# Altium PCB Robo_Seguidor_de_Linha.PcbDoc
Units mm, origin at the board's own origin, x right, y up, seen from the top; angles counter-clockwise.
Board outline 151.25 x 99.7 mm, 2 copper layers (Top Layer, Bottom Layer); 9 components, 18 nets, 76 pads, 0 vias.
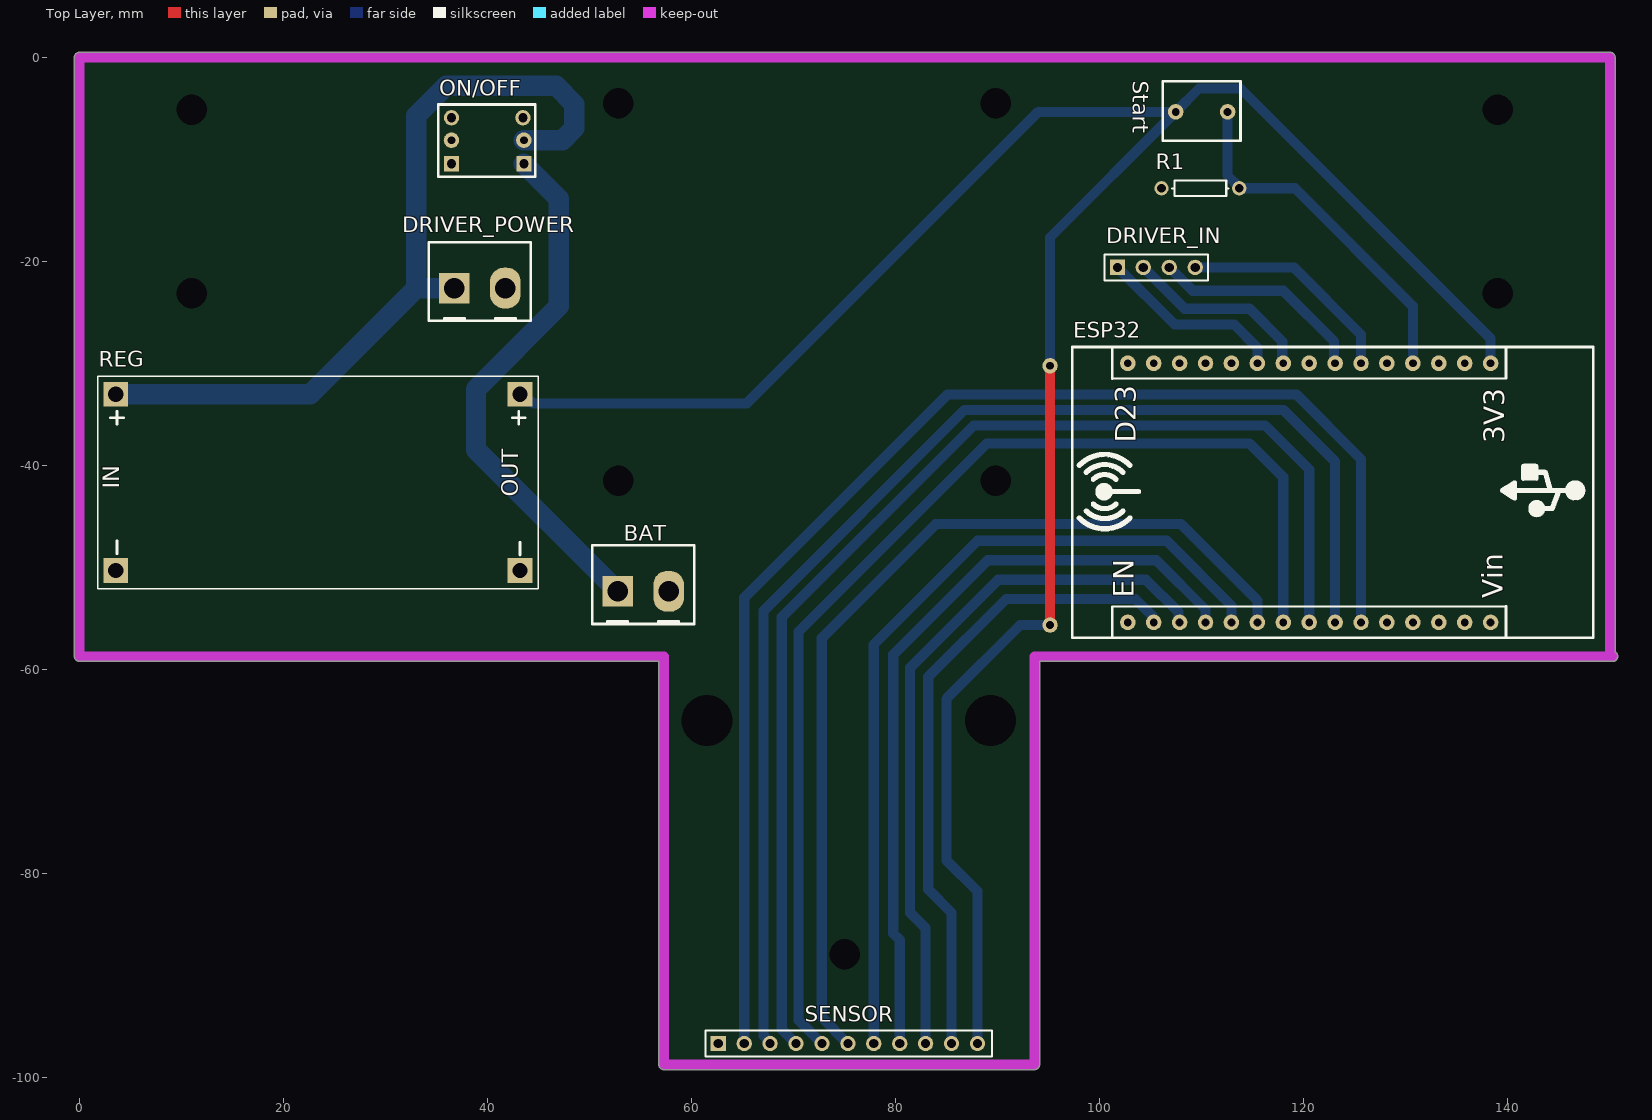
[diagram p0: Top Layer view]
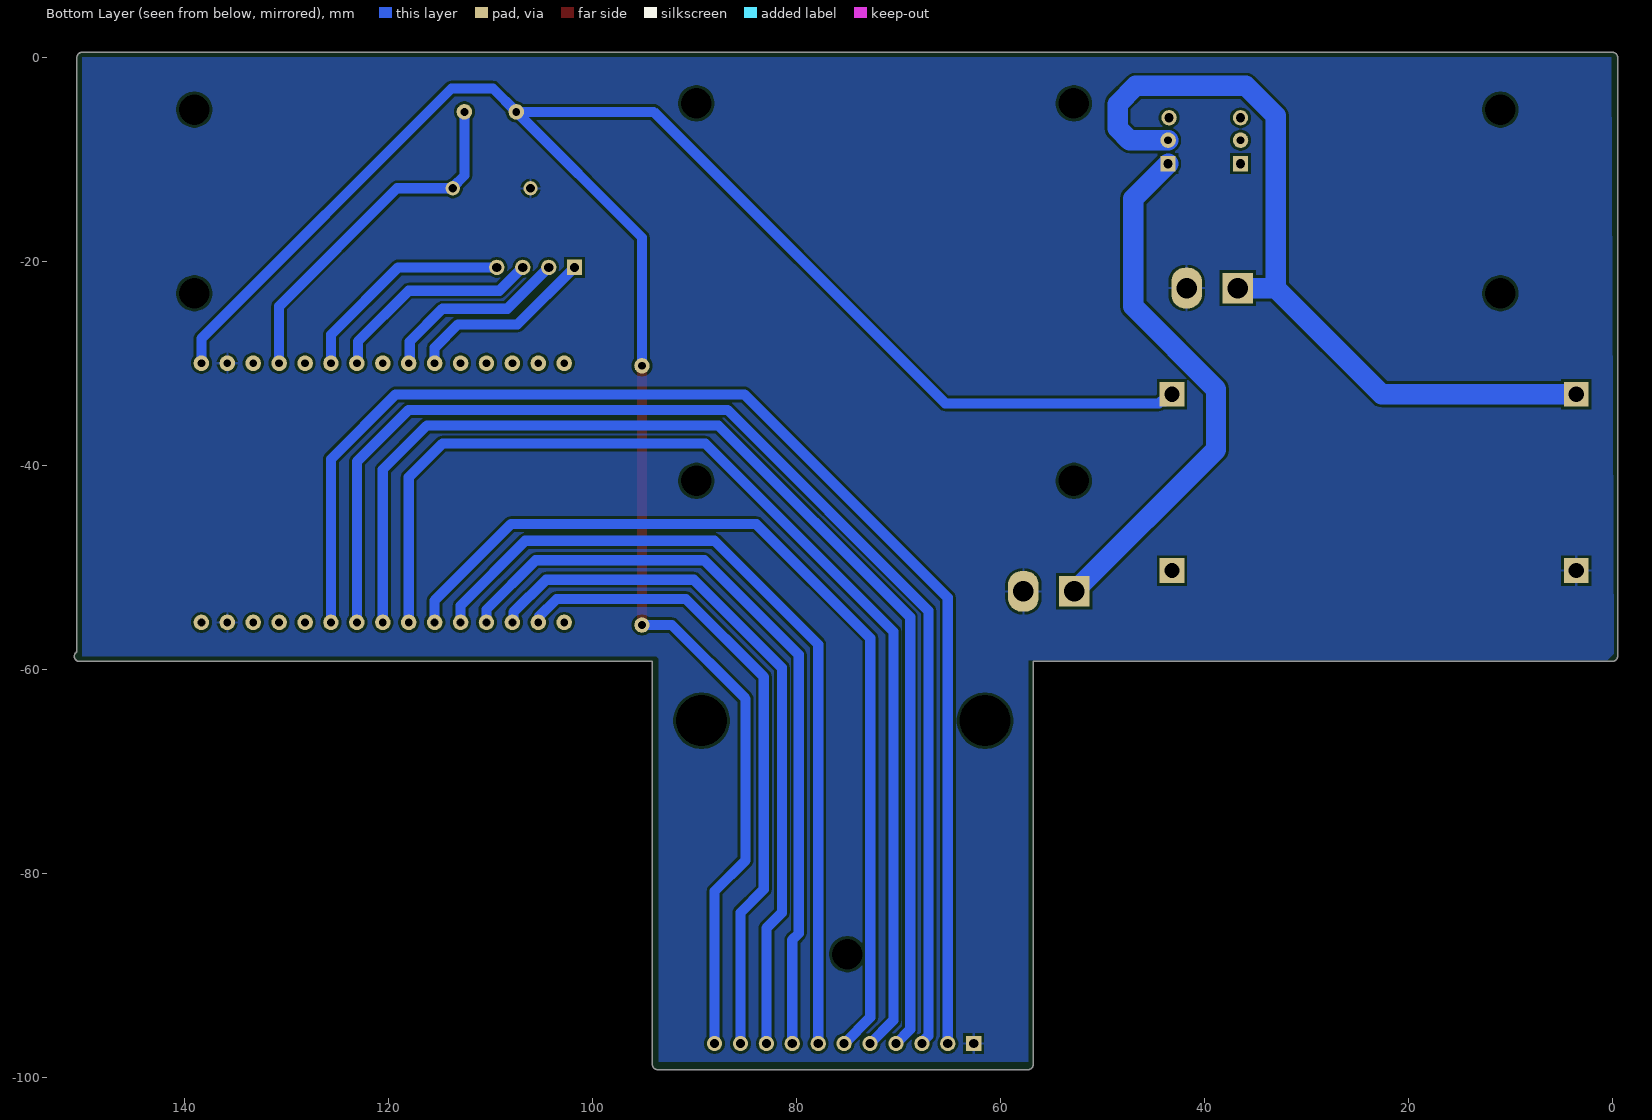
[diagram p1: Bottom Layer view, seen from below]

## Layer stack, top to bottom
Top Solder: solder mask 0.0102, Solder Resist, Dk 3.5
Top Layer: signal copper 0.0356
Dielectric 1: dielectric 0.32, FR-4, Dk 4.8
Bottom Layer: signal copper 0.0356
Bottom Solder: solder mask 0.0102, Solder Resist, Dk 3.5

## Board outline
56.777,-98.697 56.777,-59.197 0.254,-59.197 cw(c0.254,-58.697) 0.083,-59.167 cw(c0,-58.674) -0.5,-58.674 -0.5,0 cw(c0,0) 0,0.5 150,0.5 cw(c150,0) 150.5,0 150.5,-58.261 cw(c150.254,-58.697) 150.754,-58.697 cw(c150.254,-58.697) 150.254,-59.197 94.099,-59.197 94.099,-98.697 cw(c93.599,-98.697) 93.599,-99.197 57.277,-99.197 cw(c57.277,-98.697)

## Design rules (kind name [scope] priority, off if disabled: settings)
Clearance [All] p1: gap=0.254 ignorepadtopadclearanceinfootprint=FALSE except(0: Arc-Hole Track-Hole SMDPad-Hole THPad-Hole Via-Hole Fill-Hole Poly-Hole Region-Hole Text-Hole)
ComponentClearance [All] p1: gap=0 collisioncheckmode=3 verticalgap=0 showdistances=TRUE
PolygonConnect [All] p1: connectstyle=Relief reliefconductorwidth=0.254 reliefentries=4 polygonreliefangle="90 Angle" airgapwidth=0.254
RoutingVias [All] p1: holewidth=0.711 width=1.27 viastyle="Through Hole" minholewidth=0.711 minwidth=1.27 maxholewidth=0.711 maxwidth=1.27
SolderMaskExpansion [All] p1: expansion=0.102 istentingtop=FALSE
Width [All] p1: maxlimit=2 minlimit=1 preferedwidth=1 minimp=50.000000 maximp=50.000000 favimp=50.000000
29 further rules are at their usual default settings.

## Components (designator, comment, footprint, x,y, rotation, side; value= is the part's Value field where it differs from the comment)
BAT "KK2" BORNE 55.245,-52.324 r0 top
DRIVER_IN "Header 4" "Header1x4 - Female" 101.727,-20.574 r0 top
DRIVER_POWER "KK2" BORNE 39.243,-22.606 r0 top (schematic designator DRIVER_Power)
ESP32 "ESP32-DEVKIT V1" "ESP32-DEVKIT V1 with HeaderConnector" 102.743,-55.372 r90 top
ON/OFF "KK2" "Chave tátil - 6" 43.561,-10.414 r90 top
R1 "Resistor THT" "RESISTOR THT 5mm" 109.855,-12.827 r0 top value=10k
REG "LM2596 module" "LM2596 module" 3.556,-33.02 r0 top
SENSOR "Header 11" Header1x9 62.611,-96.647 r0 top
Start "Chave tátil - 2" "Chave tátil - 2" 107.442,-5.334 r0 top

## Footprints (in the part's own frame and the unit in brackets; to place one, negate y for a bottom-side part, rotate by r counter-clockwise, add the part's x,y. Pads: shape width x height; smd on the part's side, far side on the other; paste and mask are expansions set on the pad)
BORNE [mm] "2 pinos"
  rect 3x3 hole 2: 1(-2.5,0)
  rrect90% 3x4 hole 2: 2(2.5,0)
  silkscreen extent -5,-3.2 5,4.5, body extent -5,-3.2 5,4.5, height 10
"Chave tátil - 2" [mil] "2 pins"
  round 60 hole 30: 1(0,0) 2(200,0)
  silkscreen extent -50,-112 250,118, body extent -24,-122 220,122, height 232
"Chave tátil - 6" [mm] "6 pins"
  rect 1.5x1.5 hole 0.9: 1(0,0) 4(0,7.1)
  round 1.524 hole 0.762: 2(2.3,0) 5(2.3,7.1)
  round 1.5 hole 0.9: 3(4.5,0.1) 6(4.5,7.1)
  silkscreen extent -1.27,-1.1 5.8,8.4, body extent -1.7,-0.4 6.3,7.6, height 13.6
"ESP32-DEVKIT V1 with HeaderConnector" [mil] "Módulo ESP32 com 30 pinos e componente 3D com suporte de headers"
  round 60 hole 30: 1(0,0) 2(0,-100) 3(0,-200) 4(0,-300) 5(0,-400) 6(0,-500) 7(0,-600) 8(0,-700) 9(0,-800) 10(0,-900) 11(0,-1000) 12(0,-1100) 13(0,-1200) 14(0,-1300) 15(0,-1400) 16(1000,-1400) 17(1000,-1300) 18(1000,-1200) 19(1000,-1100) 20(1000,-1000) 21(1000,-900) 22(1000,-800) 23(1000,-700) 24(1000,-600) 25(1000,-500) 26(1000,-400) 27(1000,-300) 28(1000,-200) 29(1000,-100) 30(1000,0)
  silkscreen extent -59,-1795 1063,215, body extent -60,-1790 1062,215, height 604
"Header1x4 - Female" [mm] "Connector; Header; 4 Position; Female"
  rect 1.5x1.5 hole 0.9: 1(0,0)
  round 1.5 hole 0.9: 2(2.54,0) 3(5.08,0) 4(7.62,0)
  silkscreen extent -1.27,-1.27 8.89,1.27, body extent -1.26,-1.2 8.9,1.3, height 8.4
Header1x9 [mm] "Connector; Header; 9 Position"
  rect 1.5x1.5 hole 0.9: 1(0,0)
  round 1.5 hole 0.9: 2(2.54,0) 3(5.08,0) 4(7.62,0) 5(10.16,0) 6(12.7,0) 7(15.24,0) 8(17.78,0) 9(20.32,0) 10(22.86,0) 11(25.4,0)
  silkscreen extent -1.27,-1.27 26.82,1.27, body extent -1.23,-1.25 26.63,1.25, height 9.49
"LM2596 module" [mil]
  rect 95.3x95.3 / inner rect 60x60 / far side rect 95.3x95.3 hole 59.06: 1(0,0) 2(0,-680) 3(1560,0) 4(1560,-680)
  silkscreen extent -70,-750 1630,70, body extent -76,-751 1636,76, height 607
"RESISTOR THT 5mm" [mm]
  round 1.4 hole 0.85: 1(-3.81,0) 2(3.81,0)
  silkscreen extent -2.77,-0.76 2.77,0.76, body extent -4.07,-1 4.07,1.1, height 2.55

## Part data
BAT DRIVER_POWER ON/OFF: "KK Connector, 2 ways"
DRIVER_IN: "Header, 4-Pin", LatestRevisionDate=17-Jul-2002, LatestRevisionNote="Re-released for DXP Platform.", Publisher="Altium Limited"
ESP32: "Placa ESP32 com 30 pinos - Modelo DEVKIT V1"
REG: "Step-down regulável"
SENSOR: "Header, 11-Pin", LatestRevisionDate=17-Jul-2002, LatestRevisionNote="Re-released for DXP Platform.", Publisher="Altium Limited"
Start: "Chave tátil/pushbutton/momentary switch"

## Free pads (board coordinates)
  round 1.524 hole 3: 1(11,-23.114) 1(11,-5.114) 1(52.8,-41.5) 1(52.8,-4.5) 1(75,-87.884) 1(89.8,-41.5) 1(89.8,-4.5) 1(139,-23.114) 1(139,-5.114)
  round 1.524 hole 5: 1(61.5,-65) 1(89.281,-65)
  round 1.524 hole 0.762: 3(95.123,-55.626) 4(95.123,-30.226)

## Nets (pads, with @x,y where several pads share a name; then routed paths per layer and width w, separated by ;. In a path a pad name is that pad's centre, name@x,y a point inside that pad or via, vN(x,y) a via of type N, cw(c..) or ccw(c..) an arc to the next point about the centre after c; other vN are vias at no path point)
3V3: ESP32.16 pad.3 pad.4 REG.3 SENSOR.11 Start.1 | length 224.4
  Top Layer w1: pad.3 pad.4
  Bottom Layer w1: REG.3 43.89,-33.73 44.298,-33.73 44.476,-33.909 65.405,-33.909 93.98,-5.334 Start.1 ; SENSOR.11 88.011,-81.72 84.963,-78.672 84.963,-62.865 92.202,-55.626 pad.3 ; pad.4 95.123,-17.653 Start.1 ; ESP32.16 138.303,-27.559 113.792,-3.048 109.728,-3.048 Start.1
D1: ESP32.9 SENSOR.3 | length 124.7
  Bottom Layer w1: SENSOR.3 67.691,-96.512 67.056,-95.877 67.056,-54.229 86.741,-34.544 117.983,-34.544 123.063,-39.624 ESP32.9
D2: ESP32.8 SENSOR.4 | length 118.6
  Bottom Layer w1: SENSOR.4 68.834,-95.25 68.834,-54.864 87.63,-36.068 116.205,-36.068 120.523,-40.386 ESP32.8
D3: ESP32.7 SENSOR.5 | length 112.1
  Bottom Layer w1: SENSOR.5 70.485,-94.361 70.485,-56.261 88.9,-37.846 114.681,-37.846 117.983,-41.148 ESP32.7
D4: ESP32.6 SENSOR.6 | length 93.4
  Bottom Layer w1: SENSOR.6 72.746,-94.082 72.746,-56.921 83.931,-45.736 107.966,-45.736 115.443,-53.213 ESP32.6
D5: ESP32.5 SENSOR.7 | length 82.7
  Bottom Layer w1: SENSOR.7 77.851,-57.531 88.011,-47.371 106.553,-47.371 112.903,-53.721 ESP32.5
D6: ESP32.4 SENSOR.8 | length 76.1
  Bottom Layer w1: SENSOR.8 80.391,-86.487 79.756,-85.852 79.756,-58.547 89.027,-49.276 105.537,-49.276 110.363,-54.102 ESP32.4
D7: ESP32.3 SENSOR.9 | length 69.7
  Bottom Layer w1: SENSOR.9 82.931,-85.344 81.407,-83.82 81.407,-59.817 90.043,-51.181 104.521,-51.181 107.723,-54.383 107.723,-55.272 ESP32.3
D8: ESP32.2 SENSOR.10 | length 63.4
  Bottom Layer w1: SENSOR.10 85.471,-83.82 83.185,-81.534 83.185,-60.706 90.805,-53.086 103.505,-53.086 105.183,-54.764 105.183,-55.272 ESP32.2
GND: BAT.2 DRIVER_POWER.2 ESP32.14 ESP32.17 R1.1 REG.2 SENSOR.1
IN1: DRIVER_IN.1 ESP32.25 | length 18.5
  Bottom Layer w1: DRIVER_IN.1 107.315,-26.162 113.157,-26.162 115.443,-28.448 ESP32.25
IN2: DRIVER_IN.2 ESP32.24 | length 18.8
  Bottom Layer w1: DRIVER_IN.2 108.331,-24.638 114.681,-24.638 117.883,-27.84 117.883,-29.872 ESP32.24
IN3: DRIVER_IN.3 ESP32.22 | length 21.3
  Bottom Layer w1: DRIVER_IN.3 109.093,-22.86 117.983,-22.86 122.963,-27.84 122.963,-29.872 ESP32.22
IN4: DRIVER_IN.4 ESP32.21 | length 21.8
  Bottom Layer w1: DRIVER_IN.4 118.999,-20.574 125.603,-27.178 ESP32.21
IR: ESP32.10 SENSOR.2 | length 131
  Bottom Layer w1: SENSOR.2 65.151,-52.959 85.09,-33.02 119.253,-33.02 125.603,-39.37 ESP32.10
NetBAT_1: BAT.1 ON/OFF.1 | length 52.4
  Bottom Layer w2: ON/OFF.1 46.99,-13.843 46.99,-24.384 38.862,-32.512 38.862,-38.441 BAT.1
START: ESP32.19 R1.2 Start.2 | length 35.4
  Bottom Layer w1: Start.2 112.522,-11.576 113.665,-12.719 R1.2 119.126,-12.827 130.683,-24.384 ESP32.19
VCC: DRIVER_POWER.1 ON/OFF.2 REG.1 | length 79.3
  Bottom Layer w2: REG.1 22.606,-33.02 33.02,-22.606 DRIVER_POWER.1 ; 33.02,-22.225 33.02,-5.715 35.941,-2.794 46.736,-2.794 48.514,-4.572 48.514,-6.942 47.342,-8.114 ON/OFF.2
pads on no net: ESP32.1 ESP32.11 ESP32.12 ESP32.13 ESP32.15 ESP32.18 ESP32.20 ESP32.23 ESP32.26 ESP32.27 ESP32.28 ESP32.29 ESP32.30 ON/OFF.3 ON/OFF.4 ON/OFF.5 ON/OFF.6 REG.4

## Polygon pours and split planes (outlines as drawn)
GND on Bottom Layer "GND_L02_P000" (solid, pour order 0): 0.127,0 149.987,0 149.987,-58.674 93.726,-58.674 93.472,-58.928 93.472,-98.425 57.277,-98.425 57.277,-59.055 0.508,-59.055 -0.127,-58.42

## Keep-outs
Top Layer:
  lines w1: 0,-58.674 0,0 150,0 150,-58.547 ; 0.254,-58.697 57.277,-58.697 57.277,-98.697 93.599,-98.697 93.599,-58.697 150.254,-58.697

## Text inside footprints (layer, text, board x,y; h text height)
ESP32: Top Overlay "EN" at 103.337,-52.964 h2 r90; Top Overlay "D23" at 103.54,-37.75 h2 r90; Top Overlay "3V3" at 139.639,-37.801 h2 r90; Top Overlay "Vin" at 139.507,-52.99 h2 r90
REG: Top Overlay "OUT" at 43.561,-43.053 h2.76 r90; Top Overlay "IN" at 4.445,-42.291 h2.76 r90